# Altium PCB isg_eos_control_board_xem3001.PcbDoc (part 1 of 2) (continued)
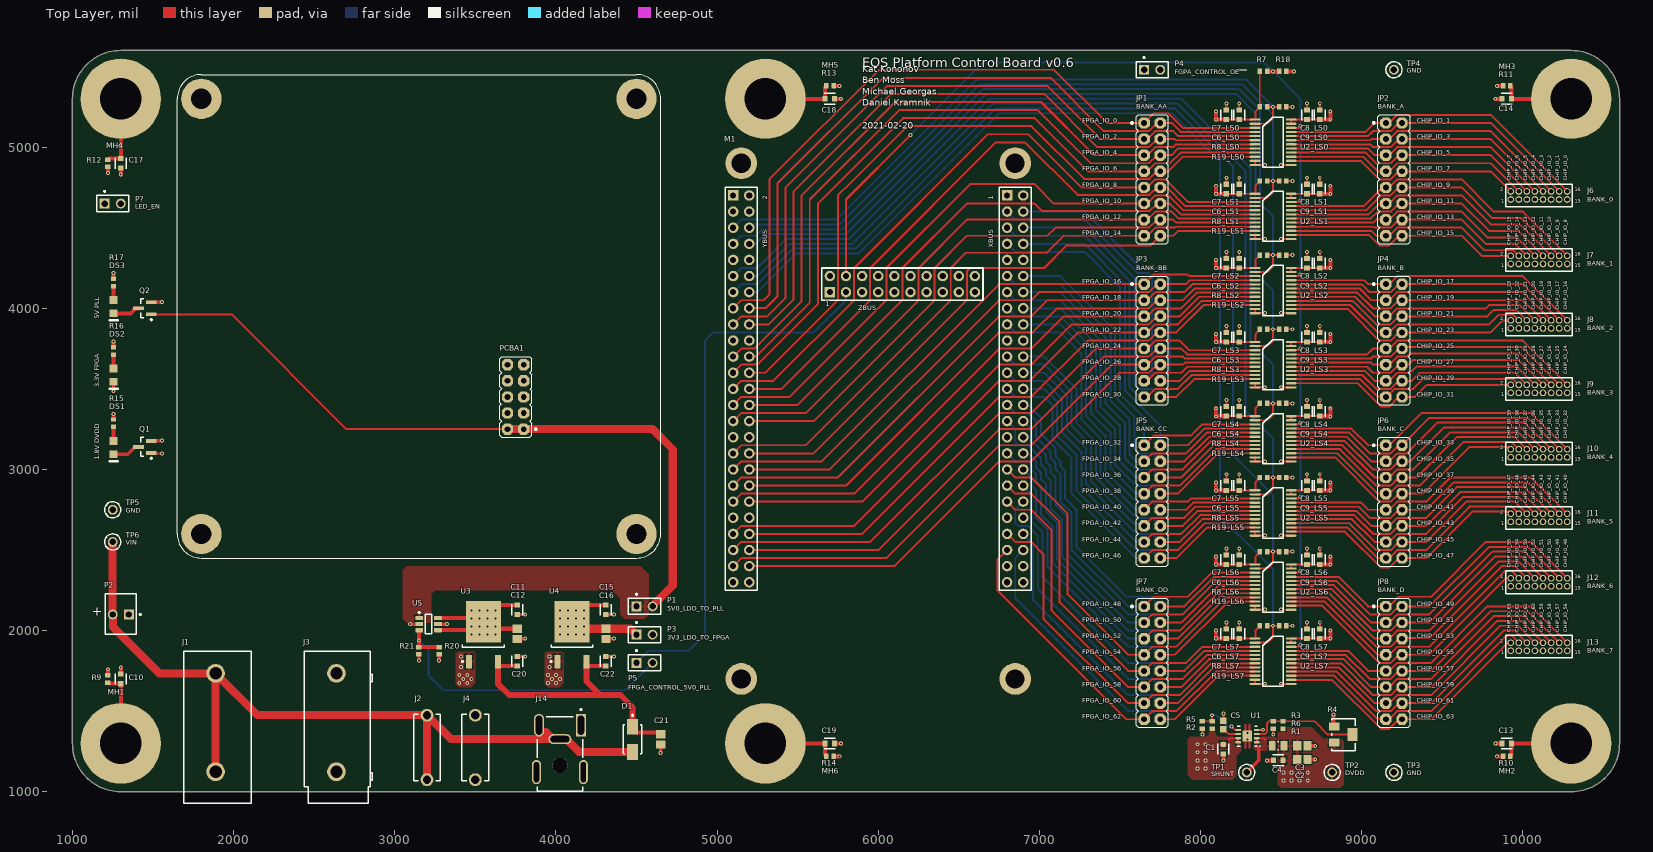
[diagram p0: Top Layer view]
## Footprints (in the part's own frame and the unit in brackets; to place one, negate y for a bottom-side part, rotate by r counter-clockwise, add the part's x,y. Pads: shape width x height; smd on the part's side, far side on the other; paste and mask are expansions set on the pad)
62201621121 [mm] "Pin Header, pitch 1.27 mm, THT, Vertical, dual row, 16p"
  round 1.05 hole 0.7: 1(-4.445,-0.635) 2(-4.445,0.635) 3(-3.175,-0.635) 4(-3.175,0.635) 5(-1.905,-0.635) 6(-1.905,0.635) 7(-0.635,-0.635) 8(-0.635,0.635) 9(0.635,-0.635) 10(0.635,0.635) 11(1.905,-0.635) 12(1.905,0.635) 13(3.175,-0.635) 14(3.175,0.635) 15(4.445,-0.635) 16(4.445,0.635)
  silkscreen extent -5.23,-1.78 5.23,1.78, body extent -5.08,-1.7 5.08,1.7, height 5.33
AVAG-HSMX-C170_V [mm] "SMD, 2-Leads, Body 2x1.25mm, Height 0.8mm"
  rect 1.2x1.2 smd: 1(-1.05,0) 2(1.05,0)
  silkscreen extent 2.15,-0.63 2.15,0.63, body extent -1,-0.63 1,0.63, height 0.8
CAPC1608X90X40ML10T20 [mm] "Chip Capacitor, 2-Leads, Body 1.7x0.9mm, IPC Low Density"
  rect 1.05x1.05 smd: 1(-0.675,0) 2(0.675,0)
  body extent -0.85,-0.45 0.85,0.45, height 0.9
CAPC2013X140X50NL20T25 [mm] "Chip Capacitor, 2-Leads, Body 2.00x1.25mm, IPC Medium Density"
  rect 1.3x1.45 smd: 1(-0.8,0) 2(0.8,0)
  body extent -1.1,-0.72 1.1,0.72, height 1.4
DBV0006A_M [mm] "SOT23, 6-Leads, Body 3.05x1.75mm, Pitch 0.95mm, IPC Low Density"
  rrect15% 1.2x0.65 smd: 1(-1.475,0.95) 2(-1.475,0) 3(-1.475,-0.95) 4(1.475,-0.95) 5(1.475,0) 6(1.475,0.95)
  silkscreen extent -1.6,-1.55 0.5,1.95, body extent -1.42,-1.46 1.42,1.46, height 1.11
DRB0008A_V [mm] "SON, 8-Leads, Body 3x3mm, Pitch 0.65mm, Thermal Pad 1.50 x 3.8mm"
  rrect29% 0.85x0.35 smd: 1(-1.475,0.975) 2(-1.475,0.325) 3(-1.475,-0.325) 4(-1.475,-0.975) 5(1.475,-0.975) 6(1.475,-0.325) 7(1.475,0.325) 8(1.475,0.975)
  rrect7% 1.5x1.75 smd: 9(0,0)
  Top Layer region: 0.185,0.875 0.185,1.9 0.465,1.9 0.465,0.875
  Top Layer region: -0.185,-0.875 -0.185,-1.9 -0.465,-1.9 -0.465,-0.875
  Top Layer region: 0.185,-0.875 0.185,-1.9 0.465,-1.9 0.465,-0.875
  Top Layer region: -0.185,0.875 -0.185,1.9 -0.465,1.9 -0.465,0.875
  silkscreen extent -2.02,-1.58 1.57,1.62, body extent -1.5,-1.5 1.5,1.5, height 1
FP-24_243_1-MFG [mm]
  round 2.95 hole 1.95 paste-1000 mask+0: 1(-8.5,-0.3) 1(7,-0.3)
  silkscreen extent -12,-5.35 12,5.35, body extent -12.1,-5.45 12.1,5.45, height 0.25
FP-24_243_2-MFG [mm]
  round 2.95 hole 1.95 paste-1000 mask+0: 1(-7,0.3) 1(8.5,0.3)
  silkscreen extent -12,-5.35 12,5.35, body extent -12.1,-5.45 12.1,5.45, height 0.25
FP-105-0751-001-MFG [mil]
  round 79.56 hole 52 paste-39370.1 mask+0: 1(-200,0) 1(200,0)
  silkscreen extent -206,-83 206,83, body extent -244,-87 244,87, height 10
FP-3224W-MFG [mm]
  rect 1.6x1.3 smd paste+0 mask+0: 1(-1.45,1.25) 3(-1.45,-1.25)
  rect 1.6x2 smd paste+0 mask+0: 2(1.45,0)
  silkscreen extent -1.88,-2.52 1.88,2.52, body extent -2.35,-2.63 2.35,2.63, height 0.25
FP-CC0603-DA-MFG [mm]
  rect 0.8x0.9 smd paste+0 mask+0: 1(-0.75,0) 2(0.75,0)
  silkscreen extent -0.85,-0.85 0.85,0.85, body extent -1.35,-0.75 1.35,0.75, height 0.25
FP-PJ-047A-MFG [mm]
  rect 1.6x3.6 hole 3 slot 1 at 0 deg paste-1000 mask+0: 1(-3.3,-4.55)
  rrect100% 3.6x1.6 hole 1 slot 3 at 0 deg paste-1000 mask+0: 2(0,-2.35)
  rrect100% 1.6x3.6 hole 3 slot 1 at 0 deg paste-1000 mask+0: 3(3.3,-4.55)
  rrect100% 1.4x3.8 hole 3.2 slot 0.8 at 0 deg paste-1000 mask+0: 4(3.7,2.85) 5(-3.7,2.85)
  round 2.4 hole 2.4 unplated paste-1000 mask+0: ""(0,1.75)
  silkscreen extent -3.6,-7.12 3.6,5.85, body extent -4.5,-6.45 4.5,5.95, height 0.25
FP-SMA-MFG [mm]
  rect 2.5x1.7 smd paste+0 mask+0: 1(-2,0) 2(2,0)
  silkscreen extent -3.92,-1.46 2.3,1.46, body extent -3.35,-1.56 3.35,1.56, height 0.25
ISG-PLL-PCBA [mil]
  oct 70x70 hole 36: 1(-650,700) 2(-550,700) 3(-650,600) 4(-550,600) 5(-650,500) 6(-550,500) 7(-650,400) 8(-550,400) 9(-650,300) 10(-550,300)
  round 250 hole 125.98: MH1(-1350,-1350) MH2(1350,-1350) MH3(1350,1350) MH4(-1350,1350)
  silkscreen extent -1500,-1500 1500,1500
KSTN-5001 [mm] "Test Point, Through Hole, Dia 2.54mm"
  round 1.55 hole 1.016: 1(0,0)
  silkscreen extent -1.27,-1.27 1.27,1.27, body extent -1.25,-1.25 1.25,1.25, height 4.62
KSTN-5002 [mm] "Test Point, Through Hole, Dia 2.54mm"
  round 1.55 hole 1.016: 1(0,0)
  silkscreen extent -1.27,-1.27 1.27,1.27, body extent -1.25,-1.25 1.25,1.25, height 4.62
MH-1/4-20#1 [mil]
  round 500 hole 257: PAD(40,-220)
MH-1/4-20#2 [mil]
  round 500 hole 257: PAD(900,-60)
MH-1/4-20#3 [mil]
  round 500 hole 257: PAD(800,100)
MH-1/4-20#4 [mil]
  round 500 hole 257: PAD(200,500)
MH-1/4-20#5 [mil]
  round 500 hole 257: PAD(-600,-400)
MH-1/4-20#6 [mil]
  round 500 hole 257: PAD(-450,0)
MOLX-22-23-2021_V [mm] "THD, 2-Leads, Body 6.35x4.93mm, Pitch 2.54mm"
  rect 1.55x1.55 hole 1.02: 1(-1.27,0)
  round 1.55 hole 1.02: 2(1.27,0)
  silkscreen extent -3.19,-3.25 2.46,3.1, body extent -2.46,-3.25 2.46,3.1, height 10.66
NXP-SOT23_M [mm] "SOT23, 3-Leads, Body 3x1.4mm, Pitch 0.95mm, IPC Low Density"
  rect 1.7x0.6 smd: 1(-1,0.95) 2(-1,-0.95) 3(1,0)
  silkscreen extent -1.13,-1.5 0.7,1.92, body extent -0.7,-1.5 0.7,1.5, height 1.1
PIN_HEADER_2X8_2.54MM [mil]
  oct 70x70 hole 36: 1(-50,350) 2(50,350) 3(-50,250) 4(50,250) 5(-50,150) 6(50,150) 7(-50,50) 8(50,50) 9(-50,-50) 10(50,-50) 11(-50,-150) 12(50,-150) 13(-50,-250) 14(50,-250) 15(-50,-350) 16(50,-350)
  silkscreen extent -131,-400 100,400
PW0024A_N [mm]
  oval 1.7x0.35 smd: 1(-2.85,3.575) 2(-2.85,2.925) 3(-2.85,2.275) 4(-2.85,1.625) 5(-2.85,0.975) 6(-2.85,0.325) 7(-2.85,-0.325) 8(-2.85,-0.975) 9(-2.85,-1.625) 10(-2.85,-2.275) 11(-2.85,-2.925) 12(-2.85,-3.575) 13(2.85,-3.575) 14(2.85,-2.925) 15(2.85,-2.275) 16(2.85,-1.625) 17(2.85,-0.975) 18(2.85,-0.325) 19(2.85,0.325) 20(2.85,0.975) 21(2.85,1.625) 22(2.85,2.275) 23(2.85,2.925) 24(2.85,3.575)
  silkscreen extent -1.6,-3.95 1.6,3.95, body extent -3.21,-3.9 3.21,3.9, height 0.98
RESC1609X50X30LL10T20 [mm] "Chip Resistor, 2-Leads, Body 1.55x0.85mm, IPC High Density"
  rect 0.7x0.85 smd: 1(-0.575,0) 2(0.575,0)
  body extent -0.82,-0.48 0.82,0.48, height 0.5
RESC2013X50X30NL20T20 [mm] "Chip Resistor, 2-Leads, Body 2.00x1.25mm, IPC Medium Density"
  rect 1.05x1.45 smd: 1(-0.925,0) 2(0.925,0)
  silkscreen extent -0.1,-0.63 0.1,0.63, body extent -1.1,-0.72 1.1,0.72, height 0.5
SMTC-TSW-102-07-S-S [mm] "Header, 2-Leads, Body 5.08x2.54mm, Pitch 2.54mm"
  rect 1.55x1.55 hole 1.02: 1(-1.27,0)
  round 1.55 hole 1.02: 2(1.27,0)
  silkscreen extent -2.54,-1.27 2.54,2.04, body extent -2.54,-1.27 2.67,1.27, height 8.38
TO-252_N [mm] "D-PAK, 4-Leads, Body 6.1x6.5mm, Pitch 2.28mm, Lead Span 9.7mm, IPC Medium Density"
  rect 2.1x0.95 smd: 1(-4.25,2.28) 3(-4.25,-2.28)
  rect 6.5x5.5 smd: 4(2.05,0)
  silkscreen extent -4.37,-3.3 -1.6,3.43, body extent -2,-3.3 4.2,3.3, height 2.4
XEM3001MODULE [mil]
  round 196.85 hole 118.11: 0(150,1850) 0(150,150) 0(3350,150) 0(3350,1850)
  rect 65x65 hole 38: X1(3150,200) Y1(3150,1900) Z1(2550,1300)
  round 65 hole 38: X2(3150,100) X3(3050,200) X4(3050,100) X5(2950,200) X6(2950,100) X7(2850,200) X8(2850,100) X9(2750,200) X10(2750,100) X11(2650,200) X12(2650,100) X13(2550,200) X14(2550,100) X15(2450,200) X16(2450,100) X17(2350,200) X18(2350,100) X19(2250,200) X20(2250,100) X21(2150,200) X22(2150,100) X23(2050,200) X24(2050,100) X25(1950,200) X26(1950,100) X27(1850,200) X28(1850,100) X29(1750,200) X30(1750,100) X31(1650,200) X32(1650,100) X33(1550,200) X34(1550,100) X35(1450,200) X36(1450,100) X37(1350,200) X38(1350,100) X39(1250,200) X40(1250,100) X41(1150,200) X42(1150,100) X43(1050,200) X44(1050,100) X45(950,200) X46(950,100) X47(850,200) X48(850,100) X49(750,200) X50(750,100) Y2(3150,1800) Y3(3050,1900) Y4(3050,1800) Y5(2950,1900) Y6(2950,1800) Y7(2850,1900) Y8(2850,1800) Y9(2750,1900) Y10(2750,1800) Y11(2650,1900) Y12(2650,1800) Y13(2550,1900) Y14(2550,1800) Y15(2450,1900) Y16(2450,1800) Y17(2350,1900) Y18(2350,1800) Y19(2250,1900) Y20(2250,1800) Y21(2150,1900) Y22(2150,1800) Y23(2050,1900) Y24(2050,1800) Y25(1950,1900) Y26(1950,1800) Y27(1850,1900) Y28(1850,1800) Y29(1750,1900) Y30(1750,1800) Y31(1650,1900) Y32(1650,1800) Y33(1550,1900) Y34(1550,1800) Y35(1450,1900) Y36(1450,1800) Y37(1350,1900) Y38(1350,1800) Y39(1250,1900) Y40(1250,1800) Y41(1150,1900) Y42(1150,1800) Y43(1050,1900) Y44(1050,1800) Y45(950,1900) Y46(950,1800) Y47(850,1900) Y48(850,1800) Y49(750,1900) Y50(750,1800) Z2(2650,1300) Z3(2550,1200) Z4(2650,1200) Z5(2550,1100) Z6(2650,1100) Z7(2550,1000) Z8(2650,1000) Z9(2550,900) Z10(2650,900) Z11(2550,800) Z12(2650,800) Z13(2550,700) Z14(2650,700) Z15(2550,600) Z16(2650,600) Z17(2550,500) Z18(2650,500) Z19(2550,400) Z20(2650,400)
  silkscreen extent 700,50 3200,1950

## Part data
C1 C4 C6_LS0 C6_LS1 C6_LS2 C6_LS3 C6_LS4 C6_LS5 C6_LS6 C6_LS7 C7_LS0 C7_LS1 C7_LS2 C7_LS3 C7_LS4 C7_LS5 C7_LS6 C7_LS7 C8_LS0 C8_LS1 C8_LS2 C8_LS3 C8_LS4 C8_LS5 C8_LS6 C8_LS7 C9_LS0 C9_LS1 C9_LS2 C9_LS3 C9_LS4 C9_LS5 C9_LS6 C9_LS7 C10 C11 C13 C14 C15 C17 C18 C19 C20 C22: library part CMP-03422-000030-1, Capacitance="100 nF", Manufacturer=YAGEO, Manufacturer Part Number=CC0603KRX7R7BB104, Package=CC0603-DA, Temperature="-55°C to +125°C", Temperature Characteristic=X7R, Temperature Coefficient=15%, Temperature Range High=+125°C, Temperature Range Low=-55°C, Tolerance=0.1, Voltage="16 V", Automotive=No, Category=Cap, ComponentLink2Description=Datasheet, ComponentLink2URL=http://www.yageo.com/documents/recent/UPY-GPHC_X7R_6.3V-to-50V_18.pdf, Device Class L1="Passive Components", Device Class L2=Capacitors, Device Class L3="Ceramic Capacitors", Digikey Description="CAP CER 0.1UF 16V X7R 0603", Footprint Url=http://www.yageo.com/exep/pages/download/literatures/UPY-C_GEN_24.pdf, Height=0.9mm, Lead Free=Yes, Material=Ceramic, Mouser Description="Multilayer Ceramic Capacitor, CC Series, 0.1 - F, - 10%, X7R, 16 V, 0603 [1608 Metric]", Octopart=https://octopart.com/cc0603krx7r7bb104-yageo-192941, RoHS=TRUE, Voltage Rating="16 V"
C2 C3 C12 C16 C21: library part CMP-2007-04677-1, Manufacturer="AVX Interconnect / Elco", Part Number=0805ZC475KAT2A
C5: library part CMP-2100-03600-1, Capacitance=10nF, Case/Package=0603, Case Code (Metric)=1608, Dielectric=X7R, Insulation Resistance=100GR, Manufacturer=Yageo, Max Operating Temperature=125degC, Min Operating Temperature=-55degC, Package Description="2-Pin Surface Mount Device, Body 1.6 x 0.8 mm", Package Quantity=1, Tolerance=10%, Voltage=50V, Case Code (Imperial)=0603, Composition=Ceramic, Datasheet URL=http://www.yageo.com/documents/recent/UPY-GPHC_X7R_6.3V-to-50V_15.pdf, Datasheet Version="Rev. 15, 10/2016", Depth=0.8mm, Height=0.8mm, Lead Free=LeadFree, Length=1.6mm, Manufacturer URL=http://www.yageo.com/, Material=Ceramic, Mount=SurfaceMount, Number of Pins=2, Package Reference=0603, Packaging=TapeandReel, Radiation Hardening=No, REACH SVHC=NoSVHC, RoHSCompliant=True, Termination=SMD/SMT, Thickness=0.035inch, Voltage Rating=50V, Voltage Rating (DC)=50V, Width=0.031inch
D1: library part CMP-2000-05896-2, "DIODE SCHOTTKY 30V 3A SMA", Capacitance=200pF, Dc Blocking Voltage=30V, Forward Current=3A, Manufacturer=Diodes, Max Junction Temp=+150°C, Max Surge Forward Current=80A, Package=SMA, Peak Reverse Current=0.5mA, Temperature="-55°C to +150°C", Temperature Range Low=-55°C, Automotive=Yes, Automotive Grade="Grade 0", Category=Diode, ComponentLink2Description=Datasheet, ComponentLink2URL=https://www.diodes.com/assets/Datasheets/ds30891.pdf, Device Class L1="Discrete Semiconductors", Device Class L2=Diodes, Device Class L3="Schottky Diodes", Digikey Description="DIODE SCHOTTKY 30V 3A SMA", Footprint Url=https://www.diodes.com/assets/Package-Files/SMA.pdf, Height=2.4mm, Lead Free=Yes, Manufacturer Part Number=B330A-13-F, Max Repetitive Reverse Voltage=30V, Mouser Description="Schottky Diodes & Rectifiers 30V 3A", Octopart=https://octopart.com/b330a-13-f-diodes+inc.-325808, Reverse Voltage=30V, RoHS=TRUE, Standoff Height=0.05mm, Temperature Range High=+150°C, Working Reverse Voltage=30V
DS1 DS2 DS3: library part CMP-2000-05062-1, "Chip LED, Green, 2.2 V, -40 to 85 degC, 2-Pin SMD, Pb-Free, Tape and Reel", Forward Current If=20mA, Forward Voltage=2.2V, Forward Voltage VF Max=2.6V, LED Colour=Green, Manufacturer=Avago, Operating Temperature Max=85degC, Operating Temperature Min=-30degC, Operating Temperature Range=-30degCto+85degC, Opto Case Style=SMD, Package Description="2-Pin Surface Mount Device, Body 2 x 1.25 mm, Height 0.8 mm", Package Reference=HSMX-C170, Storage Temperature Min=-40degC, Bulb Size=1.25mmx1.4mm, Datasheet URL=https://datasheet.ciiva.com/29280/180495-da-01-en-chip-led-hsmg-c170-gelb-gruen-29280971.pdf, Datasheet Version=Oct-08, Dominant Wavelength=572nm, Dominant Wavelength Typ=572nm, External Depth=0.8mm, External Length / Height=2mm, External Width=1.25mm, Forward Current If Max=20mA, LED Mounting=SMD, LED Type=Standard, Lens Shape=Rectangular, Light Area Height=1mm, Luminous Intensity=15mcd, Luminous Intensity Min=4mcd, Luminous Intensity Typ=15mcd, Manufacturer URL=http://www.avagotech.com/, Mounting Type=SMD, MSL=MSL2A-4weeks, No. of Pins=2, Opto Mounting Orientation=Top, Packaging=CutTape, Peak Forward Current=20mA, Peak Wavelength=570nm, PIV Max=5V, Storage Temperature Max=85degC, SVHC=NoSVHC(16-Jun-2014), Viewing Angle=170deg, Voltage Vf Typ=2.2V, Wavelength Typ=570nm
J1: library part CMP-12400-000001-1, "RECEPTACLE, 20A, 4MM, PCB, SOLDER, RED", Current Rating=24A, Manufacturer=Multicomp, Voltage Rating=60V, Automotive=No, Category=Conn, ComponentLink2Description=Datasheet, ComponentLink2URL=https://datasheet.octopart.com/24.243.1-Multicomp-datasheet-38887736.pdf, Conn Orientation=Horizontal, Contact Material=Silver, Device Class L1=Connectors, Device Class L2=unset, Device Class L3=unset, Height=13mm, Is Female=yes, Lead Free=Yes, Manufacturer Part Number=24.243.1, Number Of Contacts=1, Octopart=https://octopart.com/24.243.1-multicomp-57101049, Package=24.243.1, RoHS=TRUE
J2 J4: library part CMP-09586-000001-1, "CONN TIP JACK SOLDER WHITE", Current Rating=5A, Manufacturer="Cinch Connectivity", Manufacturer Part Number=105-0751-001, Temperature="-55°C to +75°C", Temperature Range High=+75°C, Temperature Range Low=-55°C, Voltage Rating=1500V, Automotive=No, Category=Conn, ComponentLink2Description=Datasheet, ComponentLink2URL=https://belfuse.com/resources/Johnson/drawings/dr-1050751001.pdf, Conn Orientation=Horizontal, Contact Material=Silver, Device Class L1=Connectors, Device Class L2=unset, Device Class L3=unset, Digikey Description="CONN TIP JACK SOLDER WHITE", Height=0.213inch, Is Female=yes, Lead Free=Yes, Number Of Contacts=1, Octopart=https://octopart.com/105-0751-001-cinch+connectivity+solutions-51372833, Package=105-0751-001, Pitch=10.16mm, RoHS=TRUE
J3: library part CMP-12400-000002-1, "RECEPTACLE, 20A, 4MM, PCB, SOLDER, BLACK", Current Rating=24A, Manufacturer=Multicomp, Voltage Rating=60V, Automotive=No, Category=Conn, ComponentLink2Description=Datasheet, ComponentLink2URL=https://datasheet.octopart.com/24.243.2-Multicomp-datasheet-38887736.pdf, Conn Orientation=Horizontal, Contact Material=Silver, Device Class L1=Connectors, Device Class L2=unset, Device Class L3=unset, Height=13mm, Is Female=yes, Lead Free=Yes, Manufacturer Part Number=24.243.2, Number Of Contacts=1, Octopart=https://octopart.com/24.243.2-multicomp-57101050, Package=24.243.2, RoHS=TRUE
J6 J7 J8 J9 J10 J11 J12 J13: library part CMP-1502-00950-1, "THT Vertical Pin Header WR-PHD, Pitch 1.27 mm, Dual Row, 16 pins", Contact Resistance=20mOhm, Manufacturer="Wurth Elektronik", Operating Temperature=-40to105degC, Rated Current=1A, Withstanding Voltage=500VAC, Working Voltage=100VAC, Datasheet URL=https://katalog.we-online.de/em/datasheet/62201621121.pdf, Gender=Male, Manufacturer URL=http://www.we-online.de, Mounting Technology=THT, Orientation=Vertical, Package Reference=62201621121, Packaging=Box, Part Number=62201621121, Pin Number=16, Pitch=1.27mm, Publisher=WurthElektronik, Row Number=Dual
J14: library part CMP-14830-000005-1, "CONN PWR JACK 2X5.5MM SOLDER", Current Rating=2.5A, Manufacturer="CUI Inc", Temperature="-25°C to +85°C", Temperature Range High=+85°C, Temperature Range Low=-25°C, Voltage Rating=24V, Automotive=No, Category=Conn, ComponentLink2Description=Datasheet, ComponentLink2URL=https://www.cui.com/product/resource/pj-047a.pdf, Conn Gender=Male, Conn Orientation="Right Angle", Contact Material=Tin,Nickel, Device Class L1=Connectors, Device Class L2="Power Connectors", Device Class L3=unset, Digikey Description="CONN PWR JACK 2X5.5MM SOLDER", Height=9.7mm, Lead Free=Yes, Manufacturer Part Number=PJ-047A, Mouser Description="2.0 x 6.0 mm, 2.5 A, Horizontal, Through Hole, Shielded, Dc Power Jack Connector", Number Of Contacts=3, Octopart=https://octopart.com/pj-047a-cui-19052783, Package=PJ-047A, RoHS=TRUE, Shielding=true
M1: "XEM3001 Module Connector", Manufacturer="Generic Components", Class I=Connector, Publisher="Opal Kelly", Revision=20040624
P1 P3 P4 P5 P?: library part CMP-1681-00004-4, "Male Header, Pitch 2.54 mm, 1 x 2 Position, Height 8.38 mm, Tail Length 2.54 mm, -55 to 125 degC, RoHS, Bulk", Colour=Black, Manufacturer=Samtec, Max Operating Temperature="125 degC", Min Operating Temperature="-55 degC", Package Quantity=1, ComponentLink1Description="Manufacturer URL", ComponentLink1URL=http://www.samtec.com/, ComponentLink2Description=Datasheet, ComponentLink2URL=http://suddendocs.samtec.com/catalog_english/tsw_th.pdf, Contact Finish=Gold, Contact Material=Bronze, Contact Plating=Gold, DatasheetVersion=12/2015, Height="8.38 mm", Lead Pitch="0.1 inch", Length="5.08 mm", Mount="Through Hole", Mounting Technology="Through Hole", PackageDescription="Male Header, Pitch 2.54 mm, 1 x 2 Position, Height 8.38 mm, Tail Length 2.54 mm", PackageReference=TSW-102-07-S-S, Packaging=Bulk, Pins=2, REACH SVHC="No SVHC", RoHSCompliant=true, Rows=1
P2: library part CMP-1704-00001-3, "Male Header, Pitch 2.54 mm, 1 x 2 Position, Height 10.67 mm, Tail Length 3.56 mm, 0 to 75 degC, RoHS, Bulk", Max Operating Temperature="75 degC", Min Operating Temperature="0 degC", Package Quantity=3000, ComponentLink1Description="Manufacturer URL", ComponentLink1URL=http://www.molex.com/, ComponentLink2Description=Datasheet, ComponentLink2URL=https://datasheet.ciiva.com/19454/232266-19454304.pdf, Height="10.67 mm", Length="5.08 mm", Mount="Through Hole", Mounting Technology="Through Hole", PackageDescription="Male Header, Pitch 2.54 mm, 1 x 2 Position, Height 10.67 mm, Tail Length 3.56 mm", Packaging=Bulk, PartNumber=22-23-2021, Pins=2, Radiation Hardening=No, REACH SVHC=Unknown, RoHSCompliant=True, Width="6.35 mm"
Q1 Q2: library part CMP-1258-00134-1, "N-Channel Enhancement Mode MOS Transistor, 20 V, 1.05 A, -55 to 150 degC, 3-Pin SOT23, Tape and Reel", Manufacturer="NXP Semiconductors", Channel Type=N, Ciss [typ] (pF)=152, Code_JEDEC=TO-236AB, ComponentLink1Description="Manufacturer URL", ComponentLink1URL=http://www.nxp.com/, ComponentLink2Description=Datasheet, ComponentLink2URL=http://www.nxp.com/documents/data_sheet/BSH105.pdf, ComponentLink3Description="Package Specification", ComponentLink3URL=http://www.nxp.com/documents/outline_drawing/sot023_po.pdf, Coss [typ] (pF)=71, DatasheetVersion="Rev. 1.000", ID [max] (A)=1.05, Mounting Technology="Surface Mount", PackageDescription="3-Pin Small Outline Transistor Package, Body 2.9 x 1.3 mm, Pitch 0.95 mm", PackageReference=SOT23, PackageVersion="06-03-16, 03/2006", Packing="Tape & Reel", PartNumber=BSH105,215, Qr [typ] (nC)=19, VDS [max] (V)=20, VGSth [typ] (V)=0.57
R1: library part CMP-2001-04897-1, Manufacturer="Vishay Dale", Part Number=CRCW08050000Z0EB
R2 R3 R5 R6 R7 R8_LS0 R8_LS1 R8_LS2 R8_LS3 R8_LS4 R8_LS5 R8_LS6 R8_LS7 R9 R10 R11 R12 R13 R14 R15 R16 R17 R18 R19_LS0 R19_LS1 R19_LS2 R19_LS3 R19_LS4 R19_LS5 R19_LS6 R19_LS7 R20 R21: library part CMP-2000-03820-1, Manufacturer="Vishay Dale", Part Number=CRCW0603100KFKEA
R4: library part CMP-07234-000002-1, "TRIMMER 10K OHM 0.25W J LEAD TOP", Manufacturer=Bourns, Package=3224W, Power Rating=250mW, Resistance=10kO, Temperature="-65°C to +150°C", Temperature Coefficient=100ppm/°C, Temperature Range High=+150°C, Temperature Range Low=-65°C, Tolerance=10%, Voltage Rating=300V, Automotive=No, Category=Res, ComponentLink2Description=Datasheet, ComponentLink2URL=https://upverter.com/datasheet/a166fca85da25564670351d2dc712345c058bc40.pdf, Composition=Cermet, Device Class L1="Passive Components", Device Class L2=Resistors, Device Class L3="Variable Resistors and Potentiometers", Digikey Description="TRIMMER 10K OHM 0.25W J LEAD TOP", Height=5.55mm, Lead Free=Yes, Manufacturer Part Number=3224W-1-103E, Mouser Description="Trimmer Resistors - SMD 4mm 10Kohms 10% Square Cermet Sealed", Octopart=https://octopart.com/3224w-1-103e-bourns-14818, RoHS=TRUE, Series=3224, Standoff Height=0.2mm
TP1 TP2 TP6: library part CMP-2000-05182-1, "Test Point, White, 1-Pin THD, RoHS, Bulk", Color=White, Manufacturer=KeystoneElectronics, Brand=KeystoneElectronics, Contact Material=PhosphorBronze, Datasheet URL=https://ciiva.com/datasheet-click-2917627?src=ciiva&sig=bd195616, Datasheet Version="Rev. G, 12/2008", Length=7.62mm, Manufacturer URL=http://www.keyelco.com/, Material=Nylon, Mounting Hole Size=1mm, Outside Diameter=2.54mm, Packaging=Bulk, Plating=Silver, Product=TestPoints, Product Category=CircuitBoardHardware-PCB, RoHS=True, Type=Miniature
TP3 TP4 TP5: library part CMP-2000-05181-1, "Test Point, Black, 1-Pin THD, RoHS, Bulk", Alternate Color="5004K-ND / -TESTPOINTPCMINI.040\"DYELLOW / 5003K-ND / -TESTPOINTPCMINI.040\"DORANGE / 5002K-ND / -TESTPOINTPCMINI.040\"DWHITE / 5000K-ND / -TESTPOINTPCMINI.040\"DRED", Color=Black, Manufacturer=Keystone, Standard Package=100, Catalog Drawings=5000Series, Category=TestandMeasurement, Datasheet URL=https://ciiva.com/datasheet-click-2917627?src=ciiva&sig=bd195616, Datasheet Version="Rev. G, 12/2008", Family=TestPoints, Kits="DKTGRS232C-KIT-ND / -TTLCONVERTER", Manufacturer URL=http://www.keyelco.com/, Material=Base,Nylon46,UL94V-0, Mounting Type="0.040\"(1.02mm)HoleDiameter", Online Catalog=ColorCodedTestPoints, Other Names=5001K, Packaging=Bulk, RoHS Information=RoHSComplianceStatement, Series=THM, Terminal="0.010\"x0.020\"(0.25mmx0.51mm)PhosphorBronzeWire,SilverPlated", Type=PCTestPoint,Miniature
U1: library part CMP-0395-00597-2, "Single Output LDO, 1 A, Adjustable 0.8 to 6 V Output, 2.2 to 6.5 V Input, with High-Bandwidth PSRR, 8-pin SON (DRB), -40 to 125 degC, Green (RoHS & no Sb/Br)", Manufacturer="Texas Instruments", Accuracy(%)=3, ComponentLink1Description="Manufacturer URL", ComponentLink1URL=http://www.ti.com/, ComponentLink2Description=Datasheet, ComponentLink2URL=http://www.ti.com/general/docs/lit/getliterature.tsp?genericPartNumber=TPS7A8001&fileType=pdf, ComponentLink3Description="Package Specification", ComponentLink3URL=http://www.ti.com/litv/pdf/mpds118h, DatasheetVersion=SBVS135G, Eco-Plan="Green (RoHS & no Sb/Br)", Iout(Max)(A)=1, Iq(Typ)(mA)=0.04, Mounting Technology="Surface Mount", PackageDescription="8-Pin Plastic Small Outline, Body 3 x 3 mm, Pitch 0.65 mm", PackageReference=DRB0008A, PackageVersion=4203482-2/K, PartNumber=TPS7A8001DRBT, SubFamily="Single Channel LDO", Vdo(Typ)(mV)=170, Vin(Max)(V)=6.5, Vin(Min)(V)=2.2, Vout Adj(Max)(V)=6, Vout Adj(Min)(V)=0.8
U2_LS0 U2_LS1 U2_LS2 U2_LS3 U2_LS4 U2_LS5 U2_LS6 U2_LS7: "8-BIT DUAL-SUPPLY BUS TRANSCEIVER WITH CONFIGURABLE VOLTAGE TRANSLATION AND 3-STATE OUTPUTS, PW0024A", Alternate Manufacturer=None, Manufacturer="Texas Instruments", ComponentLink1Description="Datasheet Link", ComponentLink1URL=http://www.ti.com/lit/ds/symlink/sn74avc8t245.pdf, CompType=IC, LatestRevisionDate=2014-03-31, MountType=SMT, PackageReference=PW0024A, PartNumber=SN74AVC8T245PW, Publisher="Texas Instruments", RoHS=Y, SymbolCreator=a0411947, SymbolVersion=2014-02-27, U/M=EA
U3: library part CMP-0244-00109-1, "Fixed Low Drop Positive Voltage Regulator, 5V, 3-Pin DPAK, Tape and Reel", ComponentLink1Description="Manufacturer URL", ComponentLink1URL=http://www.st.com, ComponentLink2Description=Datasheet, ComponentLink2URL=http://www.st.com/internet/com/TECHNICAL_RESOURCES/TECHNICAL_LITERATURE/DATASHEET/CD00000544.pdf, DatasheetVersion=1/11/2011, PackageDescription="3-Pin Transistor Outline Package 2.28 mm Pitch, 9.7 mm Lead Span (DPAK)", PackageReference=TO-252, PackageVersion=2011
U4: library part CMP-0244-00088-1, "Fixed Low Drop Positive Voltage Regulator, 3.3V, 3-Pin DPAK, Tape and Reel", ComponentLink1Description="Manufacturer URL", ComponentLink1URL=http://www.st.com, ComponentLink2Description=Datasheet, ComponentLink2URL=http://www.st.com/internet/com/TECHNICAL_RESOURCES/TECHNICAL_LITERATURE/DATASHEET/CD00000544.pdf, DatasheetVersion=1/11/2011, PackageDescription="3-Pin Transistor Outline Package 2.28 mm Pitch, 9.7 mm Lead Span (DPAK)", PackageReference=TO-252, PackageVersion=2011
U5: library part CMP-0330-00011-2, "Low Input Voltage, 1.8 A Single Channel Load Switch with Controlled Turn-On, 1.8 V Logic Compatible, 1.8 A, 1.4 to 5.5 V, -40 to 85 degC, 6-pin SOT-23 (DBV), Green (RoHS & no Sb/Br)", Manufacturer="Texas Instruments", Active High Enable=TRUE, Code_JEDEC=MO-178-AB*, ComponentLink1Description=Datasheet, ComponentLink1URL=http://www.ti.com/general/docs/lit/getliterature.tsp?genericPartNumber=TPS22929D&fileType=pdf, Control Logic="1.8-V Logic Compatible", DatasheetVersion=SLVSB39, Eco-Plan="Green (RoHS & no Sb/Br)", HBM ESD(kV)=2, Iin(nA)=10000, Imax(A)=1.8, Mounting Technology="Surface Mount", Output Rise Time(µS)=4500, PackageDescription="6-Pin Plastic Small-Outline Package, 2.9 x 1.6 mm Body, 0.95 mm Pitch, 2.8 mm Lead Span", PackageReference=DBV0006A, PackageVersion="revK, Mar-2006", PartNumber=TPS22929DDBVR, Quick Output Discharge Transistor=Yes, rON @1.8V(mOhm)=85, SubFamily="Non Current Limited Load Switch", Vin(V)="1.4 - 5.5"

## Via types
v1: diameter 24, hole 11.81, Top Layer to Bottom Layer, tented both sides, 215 vias

## Nets (pads, with @x,y where several pads share a name; then routed paths per layer and width w, separated by ;. In a path a pad name is that pad's centre, name@x,y a point inside that pad or via, vN(x,y) a via of type N, cw(c..) or ccw(c..) an arc to the next point about the centre after c; other vN are vias at no path point)
!OE: P4.2 R7.2 R18.1 U2_LS0.22 U2_LS1.22 U2_LS2.22 U2_LS3.22 U2_LS4.22 U2_LS5.22 U2_LS6.22 U2_LS7.22 | length 4940.1
  Top Layer w12: U2_LS0.22@8562.2,5119.57 8562.55,5119.91 8609.91,5119.91 v1(8620,5130) ; U2_LS7.22@8562.55,1899.91 8609.91,1899.91 v1(8620,1910) ; U2_LS6.22@8562.55,2359.91 8609.91,2359.91 v1(8620,2370) ; U2_LS5.22@8562.55,2819.91 8609.91,2819.91 v1(8620,2830) ; U2_LS4.22@8562.55,3279.91 8609.91,3279.91 v1(8620,3290) ; U2_LS3.22@8562.55,3739.91 8609.91,3739.91 v1(8620,3750) ; U2_LS2.22@8562.55,4199.91 8609.91,4199.91 v1(8620,4210) ; U2_LS1.22@8562.55,4659.91 8609.91,4659.91 v1(8620,4670)
  Top Layer w25: R7.2@8412.64,5470 v1(8450,5470) R18.1@8487.36,5470
  Bottom Layer w12: P4.2@7750,5480 7795,5525 8395,5525 v1(8450,5470) 8620,5300 v1(8620,5130) v1(8620,4670) v1(8620,4210) v1(8620,3750) v1(8620,3290) v1(8620,2830) v1(8620,2370) v1(8620,1910)
CHIP_IO_0: J6.16 JP2.1 U2_LS0.21 | length 1953.5
  Top Layer w12: U2_LS0.21@8562.2,5093.98 9023.98,5093.98 9080,5150 JP2.1@9150,5150 9170,5150 9220,5200 9800,5200 J6.16@10275,4725
CHIP_IO_1: J6.14 JP2.2 U2_LS0.20 | length 1872.6
  Top Layer w12: U2_LS0.20@8562.2,5068.39 9038.39,5068.39 9070,5100 9180,5100 9230,5150 JP2.2@9250,5150 9800,5150 J6.14@10225,4725
CHIP_IO_2: J6.12 JP2.3 U2_LS0.19 | length 1791.8
  Top Layer w12: U2_LS0.19@8562.2,5042.8 9052.8,5042.8 9060,5050 JP2.3@9150,5050 9170,5050 9220,5100 9800,5100 J6.12@10175,4725
CHIP_IO_3: J6.10 JP2.4 U2_LS0.18 | length 1725.3
  Top Layer w12: U2_LS0.18@8562.2,5017.2 9052.8,5017.2 9070,5000 9180,5000 9230,5050 JP2.4@9250,5050 9800,5050 J6.10@10125,4725
CHIP_IO_4: J6.8 JP2.5 U2_LS0.17 | length 1664.7
  Top Layer w12: U2_LS0.17@8562.2,4991.61 9038.39,4991.61 9080,4950 JP2.5@9150,4950 9170,4950 9220,5000 9320,5000 9800,5000 9925,4875 J6.8@10075,4725
CHIP_IO_5: J6.6 JP2.6 U2_LS0.16 | length 1604.1
  Top Layer w12: U2_LS0.16@8562.2,4966.02 9023.98,4966.02 9090,4900 9180,4900 9230,4950 JP2.6@9250,4950 9800,4950 J6.6@10025,4725
CHIP_IO_6: J6.4 JP2.7 U2_LS0.15 | length 1543.5
  Top Layer w12: U2_LS0.15@8562.2,4940.43 9009.57,4940.43 9100,4850 JP2.7@9150,4850 9170,4850 9220,4900 9800,4900 J6.4@9975,4725
CHIP_IO_7: J6.2 JP2.8 U2_LS0.14 | length 1482.9
  Top Layer w12: U2_LS0.14@8562.2,4914.84 8995.16,4914.84 9110,4800 9180,4800 9230,4850 JP2.8@9250,4850 9800,4850 J6.2@9925,4725
CHIP_IO_8: J7.16 JP2.9 U2_LS1.21 | length 1978.3
  Top Layer w12: U2_LS1.21@8562.2,4633.98 9013.98,4633.98 9130,4750 JP2.9@9150,4750 9170,4750 9220,4800 9620,4800 9820,4600 10000,4600 J7.16@10275,4325
CHIP_IO_9: J7.14 JP2.10 U2_LS1.20 | length 1897.5
  Top Layer w12: U2_LS1.20@8562.2,4608.39 9028.39,4608.39 9120,4700 9180,4700 9230,4750 JP2.10@9250,4750 9620,4750 9810,4560 9990,4560 J7.14@10225,4325
CHIP_IO_10: J7.12 JP2.11 U2_LS1.19 | length 1816.7
  Top Layer w12: U2_LS1.19@8562.2,4582.8 9042.8,4582.8 9110,4650 JP2.11@9150,4650 9170,4650 9220,4700 9620,4700 9800,4520 9980,4520 J7.12@10175,4325
CHIP_IO_11: J7.10 JP2.12 U2_LS1.18 | length 1735.9
  Top Layer w12: U2_LS1.18@8562.2,4557.2 9057.2,4557.2 9100,4600 9180,4600 9230,4650 JP2.12@9250,4650 9620,4650 9790,4480 9970,4480 J7.10@10125,4325
CHIP_IO_12: J7.8 JP2.13 U2_LS1.17 | length 1655
  Top Layer w12: U2_LS1.17@8562.2,4531.61 9071.61,4531.61 9090,4550 JP2.13@9150,4550 9170,4550 9220,4600 9620,4600 9780,4440 9960,4440 J7.8@10075,4325
CHIP_IO_13: J7.6 JP2.14 U2_LS1.16 | length 1579.2
  Top Layer w12: U2_LS1.16@8562.2,4506.02 9073.98,4506.02 9080,4500 9180,4500 9230,4550 JP2.14@9250,4550 9620,4550 9770,4400 9950,4400 J7.6@10025,4325
CHIP_IO_14: J7.4 JP2.15 U2_LS1.15 | length 1518.6
  Top Layer w12: U2_LS1.15@8562.2,4480.43 9059.57,4480.43 9090,4450 JP2.15@9150,4450 9170,4450 9220,4500 9320,4500 9620,4500 9760,4360 9940,4360 J7.4@9975,4325
CHIP_IO_15: J7.2 JP2.16 U2_LS1.14 | length 1466.3
  Top Layer w12: U2_LS1.14@8562.2,4454.84 9045.16,4454.84 9110,4390 9170,4390 9230,4450 JP2.16@9250,4450 9620,4450 9745,4325 J7.2@9925,4325
CHIP_IO_16: J8.16 JP4.1 U2_LS2.21 | length 1857.3
  Top Layer w12: U2_LS2.21@8562.2,4173.98 9016.02,4173.98 9040,4150 JP4.1@9150,4150 9170,4150 9220,4200 10000,4200 J8.16@10275,3925
CHIP_IO_17: J8.14 JP4.2 U2_LS2.20 | length 1796.7
  Top Layer w12: U2_LS2.20@8562.2,4148.39 9001.61,4148.39 9050,4100 9180,4100 9230,4150 JP4.2@9250,4150 10000,4150 J8.14@10225,3925
CHIP_IO_18: J8.12 JP4.3 U2_LS2.19 | length 1736.1
  Top Layer w12: U2_LS2.19@8562.2,4122.8 8987.2,4122.8 9060,4050 JP4.3@9150,4050 9170,4050 9220,4100 10000,4100 J8.12@10175,3925
CHIP_IO_19: J8.10 JP4.4 U2_LS2.18 | length 1675.5
  Top Layer w12: U2_LS2.18@8562.2,4097.2 8972.8,4097.2 9070,4000 9180,4000 9230,4050 JP4.4@9250,4050 10000,4050 J8.10@10125,3925
CHIP_IO_20: J8.8 JP4.5 U2_LS2.17 | length 1631.5
  Top Layer w12: U2_LS2.17@8562.2,4071.61 8958.39,4071.61 9080,3950 JP4.5@9150,3950 9170,3950 9220,4000 9770,4000 9790,4020 9980,4020 J8.8@10075,3925
CHIP_IO_21: J8.6 JP4.6 U2_LS2.16 | length 1587.5
  Top Layer w12: U2_LS2.16@8562.2,4046.02 8943.98,4046.02 9090,3900 9180,3900 9230,3950 JP4.6@9250,3950 9780,3950 9820,3990 9960,3990 J8.6@10025,3925
CHIP_IO_22: J8.4 JP4.7 U2_LS2.15 | length 1543.5
  Top Layer w12: U2_LS2.15@8562.2,4020.43 8929.57,4020.43 9097,3853 9147,3853 JP4.7@9150,3850 9170,3850 9220,3900 9790,3900 9850,3960 9940,3960 J8.4@9975,3925
CHIP_IO_23: J8.2 JP4.8 U2_LS2.14 | length 1495.3
  Top Layer w12: U2_LS2.14@8562.2,3994.84 8915.16,3994.84 9110,3800 9180,3800 9230,3850 JP4.8@9250,3850 9800,3850 9875,3925 J8.2@9925,3925
CHIP_IO_24: J9.16 JP4.9 U2_LS3.21 | length 1862.3
  Top Layer w12: U2_LS3.21@8562.2,3713.98 9033.98,3713.98 9070,3750 JP4.9@9150,3750 9170,3750 9220,3800 10000,3800 J9.16@10275,3525
CHIP_IO_25: J9.14 JP4.10 U2_LS3.20 | length 1789.8
  Top Layer w12: U2_LS3.20@8562.2,3688.39 9058.39,3688.39 9070,3700 9180,3700 9230,3750 JP4.10@9250,3750 9260,3750 9270,3760 9990,3760 J9.14@10225,3525
CHIP_IO_26: J9.12 JP4.11 U2_LS3.19 | length 1727.9
  Top Layer w12: U2_LS3.19@8562.2,3662.8 9057.2,3662.8 9070,3650 JP4.11@9150,3650 9170,3650 9220,3700 9280,3700 9300,3720 9980,3720 J9.12@10175,3525
CHIP_IO_27: J9.10 JP4.12 U2_LS3.18 | length 1675.5
  Top Layer w12: U2_LS3.18@8562.2,3637.2 9032.8,3637.2 9070,3600 9180,3600 9230,3650 JP4.12@9250,3650 9290,3650 9320,3680 9970,3680 J9.10@10125,3525
CHIP_IO_28: J9.8 JP4.13 U2_LS3.17 | length 1623.2
  Top Layer w12: U2_LS3.17@8562.2,3611.61 9018.39,3611.61 9080,3550 JP4.13@9150,3550 9170,3550 9220,3600 9300,3600 9340,3640 9960,3640 J9.8@10075,3525
CHIP_IO_29: J9.6 JP4.14 U2_LS3.16 | length 1570.9
  Top Layer w12: U2_LS3.16@8562.2,3586.02 9003.98,3586.02 9090,3500 9180,3500 9230,3550 JP4.14@9250,3550 9310,3550 9360,3600 9950,3600 J9.6@10025,3525
CHIP_IO_30: J9.4 JP4.15 U2_LS3.15 | length 1518.6
  Top Layer w12: U2_LS3.15@8562.2,3560.43 8989.57,3560.43 9097,3453 9147,3453 JP4.15@9150,3450 9155.46,3450 9205.46,3500 9320,3500 9380,3560 9940,3560 J9.4@9975,3525
CHIP_IO_31: J9.2 JP4.16 U2_LS3.14 | length 1478.7
  Top Layer w12: U2_LS3.14@8562.2,3534.84 8975.16,3534.84 9120,3390 9170,3390 9230,3450 JP4.16@9250,3450 9330,3450 9405,3525 J9.2@9925,3525
CHIP_IO_32: J10.16 JP6.1 U2_LS4.21 | length 1931.9
  Top Layer w12: U2_LS4.21@8562.2,3253.98 8936.02,3253.98 9040,3150 JP6.1@9150,3150 9170,3150 9370,3350 10050,3350 J10.16@10275,3125
CHIP_IO_33: J10.14 JP6.2 U2_LS4.20 | length 1887.9
  Top Layer w12: U2_LS4.20@8562.2,3228.39 8921.61,3228.39 9050,3100 9180,3100 9230,3150 JP6.2@9250,3150 9420,3320 10030,3320 J10.14@10225,3125
CHIP_IO_34: J10.12 JP6.3 U2_LS4.19 | length 1843.8
  Top Layer w12: U2_LS4.19@8562.2,3202.8 8907.2,3202.8 9060,3050 JP6.3@9150,3050 9170,3050 9220,3100 9280,3100 9470,3290 10010,3290 J10.12@10175,3125
CHIP_IO_35: J10.10 JP6.4 U2_LS4.18 | length 1799.8
  Top Layer w12: U2_LS4.18@8562.2,3177.2 8892.8,3177.2 9070,3000 9180,3000 9230,3050 JP6.4@9250,3050 9300,3050 9510,3260 9990,3260 J10.10@10125,3125
CHIP_IO_36: J10.8 JP6.5 U2_LS4.17 | length 1755.8
  Top Layer w12: U2_LS4.17@8562.2,3151.61 8878.39,3151.61 9080,2950 JP6.5@9150,2950 9170,2950 9220,3000 9320,3000 9550,3230 9970,3230 J10.8@10075,3125
CHIP_IO_37: J10.6 JP6.6 U2_LS4.16 | length 1711.7
  Top Layer w12: U2_LS4.16@8562.2,3126.02 8863.98,3126.02 9090,2900 9180,2900 9230,2950 JP6.6@9250,2950 9340,2950 9590,3200 9950,3200 J10.6@10025,3125
CHIP_IO_38: J10.4 JP6.7 U2_LS4.15 | length 1667.7
  Top Layer w12: U2_LS4.15@8562.2,3100.43 8849.57,3100.43 9100,2850 JP6.7@9150,2850 9170,2850 9220,2900 9360,2900 9630,3170 9930,3170 J10.4@9975,3125
CHIP_IO_39: J10.2 JP6.8 U2_LS4.14 | length 1623.7
  Top Layer w12: U2_LS4.14@8562.2,3074.84 8835.16,3074.84 9110,2800 9180,2800 9230,2850 JP6.8@9250,2850 9380,2850 9670,3140 9910,3140 J10.2@9925,3125
CHIP_IO_40: J11.16 JP6.9 U2_LS5.21 | length 1907.1
  Top Layer w12: U2_LS5.21@8562.2,2793.98 8996.02,2793.98 9040,2750 JP6.9@9150,2750 9170,2750 9220,2800 9400,2800 9550,2950 10050,2950 J11.16@10275,2725
CHIP_IO_41: J11.14 JP6.10 U2_LS5.20 | length 1863
  Top Layer w12: U2_LS5.20@8562.2,2768.39 8981.61,2768.39 9050,2700 9180,2700 9230,2750 JP6.10@9250,2750 9400,2750 9570,2920 10030,2920 J11.14@10225,2725
CHIP_IO_42: J11.12 JP6.11 U2_LS5.19 | length 1819
  Top Layer w12: U2_LS5.19@8562.2,2742.8 8967.2,2742.8 9060,2650 JP6.11@9150,2650 9170,2650 9220,2700 9400,2700 9590,2890 10010,2890 J11.12@10175,2725
CHIP_IO_43: J11.10 JP6.12 U2_LS5.18 | length 1775
  Top Layer w12: U2_LS5.18@8562.2,2717.2 8952.8,2717.2 9070,2600 9180,2600 9230,2650 JP6.12@9250,2650 9400,2650 9610,2860 9990,2860 J11.10@10125,2725
CHIP_IO_44: J11.8 JP6.13 U2_LS5.17 | length 1730.9
  Top Layer w12: U2_LS5.17@8562.2,2691.61 8938.39,2691.61 9080,2550 JP6.13@9150,2550 9170,2550 9220,2600 9400,2600 9630,2830 9970,2830 J11.8@10075,2725
CHIP_IO_45: J11.6 JP6.14 U2_LS5.16 | length 1686.9
  Top Layer w12: U2_LS5.16@8562.2,2666.02 8923.98,2666.02 9090,2500 9180,2500 9230,2550 JP6.14@9250,2550 9400,2550 9650,2800 9950,2800 J11.6@10025,2725
CHIP_IO_46: J11.4 JP6.15 U2_LS5.15 | length 1642.9
  Top Layer w12: U2_LS5.15@8562.2,2640.43 8909.57,2640.43 9100,2450 JP6.15@9150,2450 9170,2450 9220,2500 9400,2500 9670,2770 9930,2770 J11.4@9975,2725
CHIP_IO_47: J11.2 JP6.16 U2_LS5.14 | length 1607.1
  Top Layer w12: U2_LS5.14@8562.2,2614.84 8895.16,2614.84 9120,2390 9170,2390 9230,2450 JP6.16@9250,2450 9400,2450 9690,2740 9910,2740 J11.2@9925,2725
CHIP_IO_48: J12.16 JP8.1 U2_LS6.21 | length 2047.9
  Top Layer w12: U2_LS6.21@8562.2,2333.98 8856.02,2333.98 9040,2150 JP8.1@9150,2150 9170,2150 9230,2210 9430,2210 9770,2550 10050,2550 J12.16@10275,2325
CHIP_IO_49: J12.14 JP8.2 U2_LS6.20 | length 2003.9
  Top Layer w12: U2_LS6.20@8562.2,2308.39 8841.61,2308.39 9050,2100 9180,2100 9230,2150 JP8.2@9250,2150 9420,2150 9790,2520 10030,2520 J12.14@10225,2325
CHIP_IO_50: J12.12 JP8.3 U2_LS6.19 | length 1959.8
  Top Layer w12: U2_LS6.19@8562.2,2282.8 8827.2,2282.8 9060,2050 JP8.3@9150,2050 9170,2050 9220,2100 9420,2100 9810,2490 10010,2490 J12.12@10175,2325
CHIP_IO_51: J12.10 JP8.4 U2_LS6.18 | length 1915.8
  Top Layer w12: U2_LS6.18@8562.2,2257.2 8812.8,2257.2 9070,2000 9180,2000 9230,2050 JP8.4@9250,2050 9420,2050 9830,2460 9990,2460 J12.10@10125,2325
CHIP_IO_52: J12.8 JP8.5 U2_LS6.17 | length 1871.8
  Top Layer w12: U2_LS6.17@8562.2,2231.61 8798.39,2231.61 9080,1950 JP8.5@9150,1950 9170,1950 9220,2000 9420,2000 9850,2430 9970,2430 J12.8@10075,2325
CHIP_IO_53: J12.6 JP8.6 U2_LS6.16 | length 1827.7
  Top Layer w12: U2_LS6.16@8562.2,2206.02 8783.98,2206.02 9090,1900 9180,1900 9230,1950 JP8.6@9250,1950 9253,1953 9423,1953 9870,2400 9950,2400 J12.6@10025,2325
CHIP_IO_54: J12.4 JP8.7 U2_LS6.15 | length 1783.7
  Top Layer w12: U2_LS6.15@8562.2,2180.43 8769.57,2180.43 9100,1850 JP8.7@9150,1850 9170,1850 9220,1900 9420,1900 9890,2370 9930,2370 J12.4@9975,2325
CHIP_IO_55: J12.2 JP8.8 U2_LS6.14 | length 1727.2
  Top Layer w12: U2_LS6.14@8562.2,2154.84 8755.16,2154.84 9110,1800 9180,1800 9230,1850 JP8.8@9250,1850 9420,1850 9895,2325 J12.2@9925,2325
CHIP_IO_56: J13.16 JP8.9 U2_LS7.21 | length 2023
  Top Layer w12: U2_LS7.21@8562.2,1873.98 8916.02,1873.98 9040,1750 JP8.9@9150,1750 9170,1750 9220,1800 9430,1800 9780,2150 10050,2150 J13.16@10275,1925
CHIP_IO_57: J13.14 JP8.10 U2_LS7.20 | length 1979
  Top Layer w12: U2_LS7.20@8562.2,1848.39 8901.61,1848.39 9050,1700 9180,1700 9230,1750 JP8.10@9250,1750 9430,1750 9800,2120 10030,2120 J13.14@10225,1925
CHIP_IO_58: J13.12 JP8.11 U2_LS7.19 | length 1935
  Top Layer w12: U2_LS7.19@8562.2,1822.8 8887.2,1822.8 9060,1650 JP8.11@9150,1650 9170,1650 9220,1700 9430,1700 9820,2090 10010,2090 J13.12@10175,1925
CHIP_IO_59: J13.10 JP8.12 U2_LS7.18 | length 1890.9
  Top Layer w12: U2_LS7.18@8562.2,1797.2 8872.8,1797.2 9070,1600 9180,1600 9230,1650 JP8.12@9250,1650 9430,1650 9840,2060 9990,2060 J13.10@10125,1925
CHIP_IO_60: J13.8 JP8.13 U2_LS7.17 | length 1846.9
  Top Layer w12: U2_LS7.17@8562.2,1771.61 8858.39,1771.61 9080,1550 JP8.13@9150,1550 9170,1550 9220,1600 9430,1600 9860,2030 9970,2030 J13.8@10075,1925
CHIP_IO_61: J13.6 JP8.14 U2_LS7.16 | length 1802.9
  Top Layer w12: U2_LS7.16@8562.2,1746.02 8843.98,1746.02 9090,1500 9180,1500 9230,1550 JP8.14@9250,1550 9430,1550 9880,2000 9950,2000 J13.6@10025,1925
CHIP_IO_62: J13.4 JP8.15 U2_LS7.15 | length 1758.8
  Top Layer w12: U2_LS7.15@8562.2,1720.43 8829.57,1720.43 9097,1453 9147,1453 JP8.15@9150,1450 9170,1450 9220,1500 9430,1500 9900,1970 9930,1970 J13.4@9975,1925
CHIP_IO_63: J13.2 JP8.16 U2_LS7.14 | length 1710.7
  Top Layer w12: U2_LS7.14@8562.2,1694.84 8815.16,1694.84 9120,1390 9170,1390 9230,1450 JP8.16@9250,1450 9430,1450 9905,1925 J13.2@9925,1925
EN: R2.1 R5.2 U1.5 | length 300.9
  Top Layer w12: R5.2@8008.54,1437.64 R5.2@8011.5,1437.64 R2.1@8068.54,1437.64 ; R2.1@8071.5,1437.64 R2.1@8068.54,1437.64 ; v1(8071.5,1475) 8071.5,1440.59 R2.1@8068.54,1437.64 ; v1(8191.5,1405) 8212.71,1383.79 8232.55,1383.79 U1.5@8232.95,1383.39
  Bottom Layer w12: v1(8071.5,1475) 8096.5,1475 8166.5,1405 v1(8191.5,1405)
FB: R3.1 R4.2 R6.2 U1.3 | length 694
  Top Layer w12: U1.3@8349.09,1357.8 8399.29,1357.8 8411.5,1370 8411.5,1425 8424.13,1437.64 R6.2@8451.5,1437.64 R3.1@8511.5,1437.64 8707.36,1437.64 8790,1355 R4.2@8943.58,1355
FPGA_IO_0: JP1.1 M1.Y15 U2_LS0.3 | length 4468.7
  Top Layer w12: M1.Y15@5100,4000 5150,4050 5290,4050 5325,4085 5325,4800 6005,5480 7090,5480 7420,5150 JP1.1@7650,5150 7710,5210 7800,5210 7890.43,5119.57 U2_LS0.3@8337.8,5119.57
FPGA_IO_1: JP1.2 M1.Y16 U2_LS0.4 | length 4320.8
  Top Layer w12: M1.Y16@5200,4000 5200.5,4000.5 5300.5,4000.5 5375,4075 5375,4775 6030,5430 7070,5430 7400,5100 7680,5100 7730,5150 JP1.2@7750,5150 7820,5150 7876.02,5093.98 U2_LS0.4@8337.8,5093.98
FPGA_IO_2: JP1.3 M1.Y17 U2_LS0.5 | length 4422.6
  Top Layer w12: M1.Y17@5100,3900 5150,3950 5310,3950 5425,4065 5425,4750 6055,5380 7050,5380 7380,5050 JP1.3@7650,5050 7670,5050 7720,5100 7830,5100 7861.61,5068.39 U2_LS0.5@8337.8,5068.39
FPGA_IO_3: JP1.4 M1.Y18 U2_LS0.6 | length 4283
  Top Layer w12: M1.Y18@5200,3900 5320,3900 5475,4055 5475,4725 6080,5330 7030,5330 7360,5000 7680,5000 7730,5050 JP1.4@7750,5050 7840,5050 7847.2,5042.8 U2_LS0.6@8337.8,5042.8
FPGA_IO_4: JP1.5 M1.Y21 U2_LS0.7 | length 4440.5
  Top Layer w12: M1.Y21@5100,3700 5150,3750 5230,3750 5525,4045 5525,4700 6105,5280 7010,5280 7340,4950 JP1.5@7650,4950 7670,4950 7720,5000 7830,5000 7847.2,5017.2 U2_LS0.7@8337.8,5017.2
FPGA_IO_5: JP1.6 M1.Y22 U2_LS0.8 | length 4321.1
  Top Layer w12: M1.Y22@5200,3700 5240,3700 5575,4035 5575,4675 6130,5230 6990,5230 7320,4900 7680,4900 7730,4950 JP1.6@7750,4950 7820,4950 7861.61,4991.61 U2_LS0.8@8337.8,4991.61